# Altium PCB Urukul.PcbDoc (part 2 of 12) (continued)
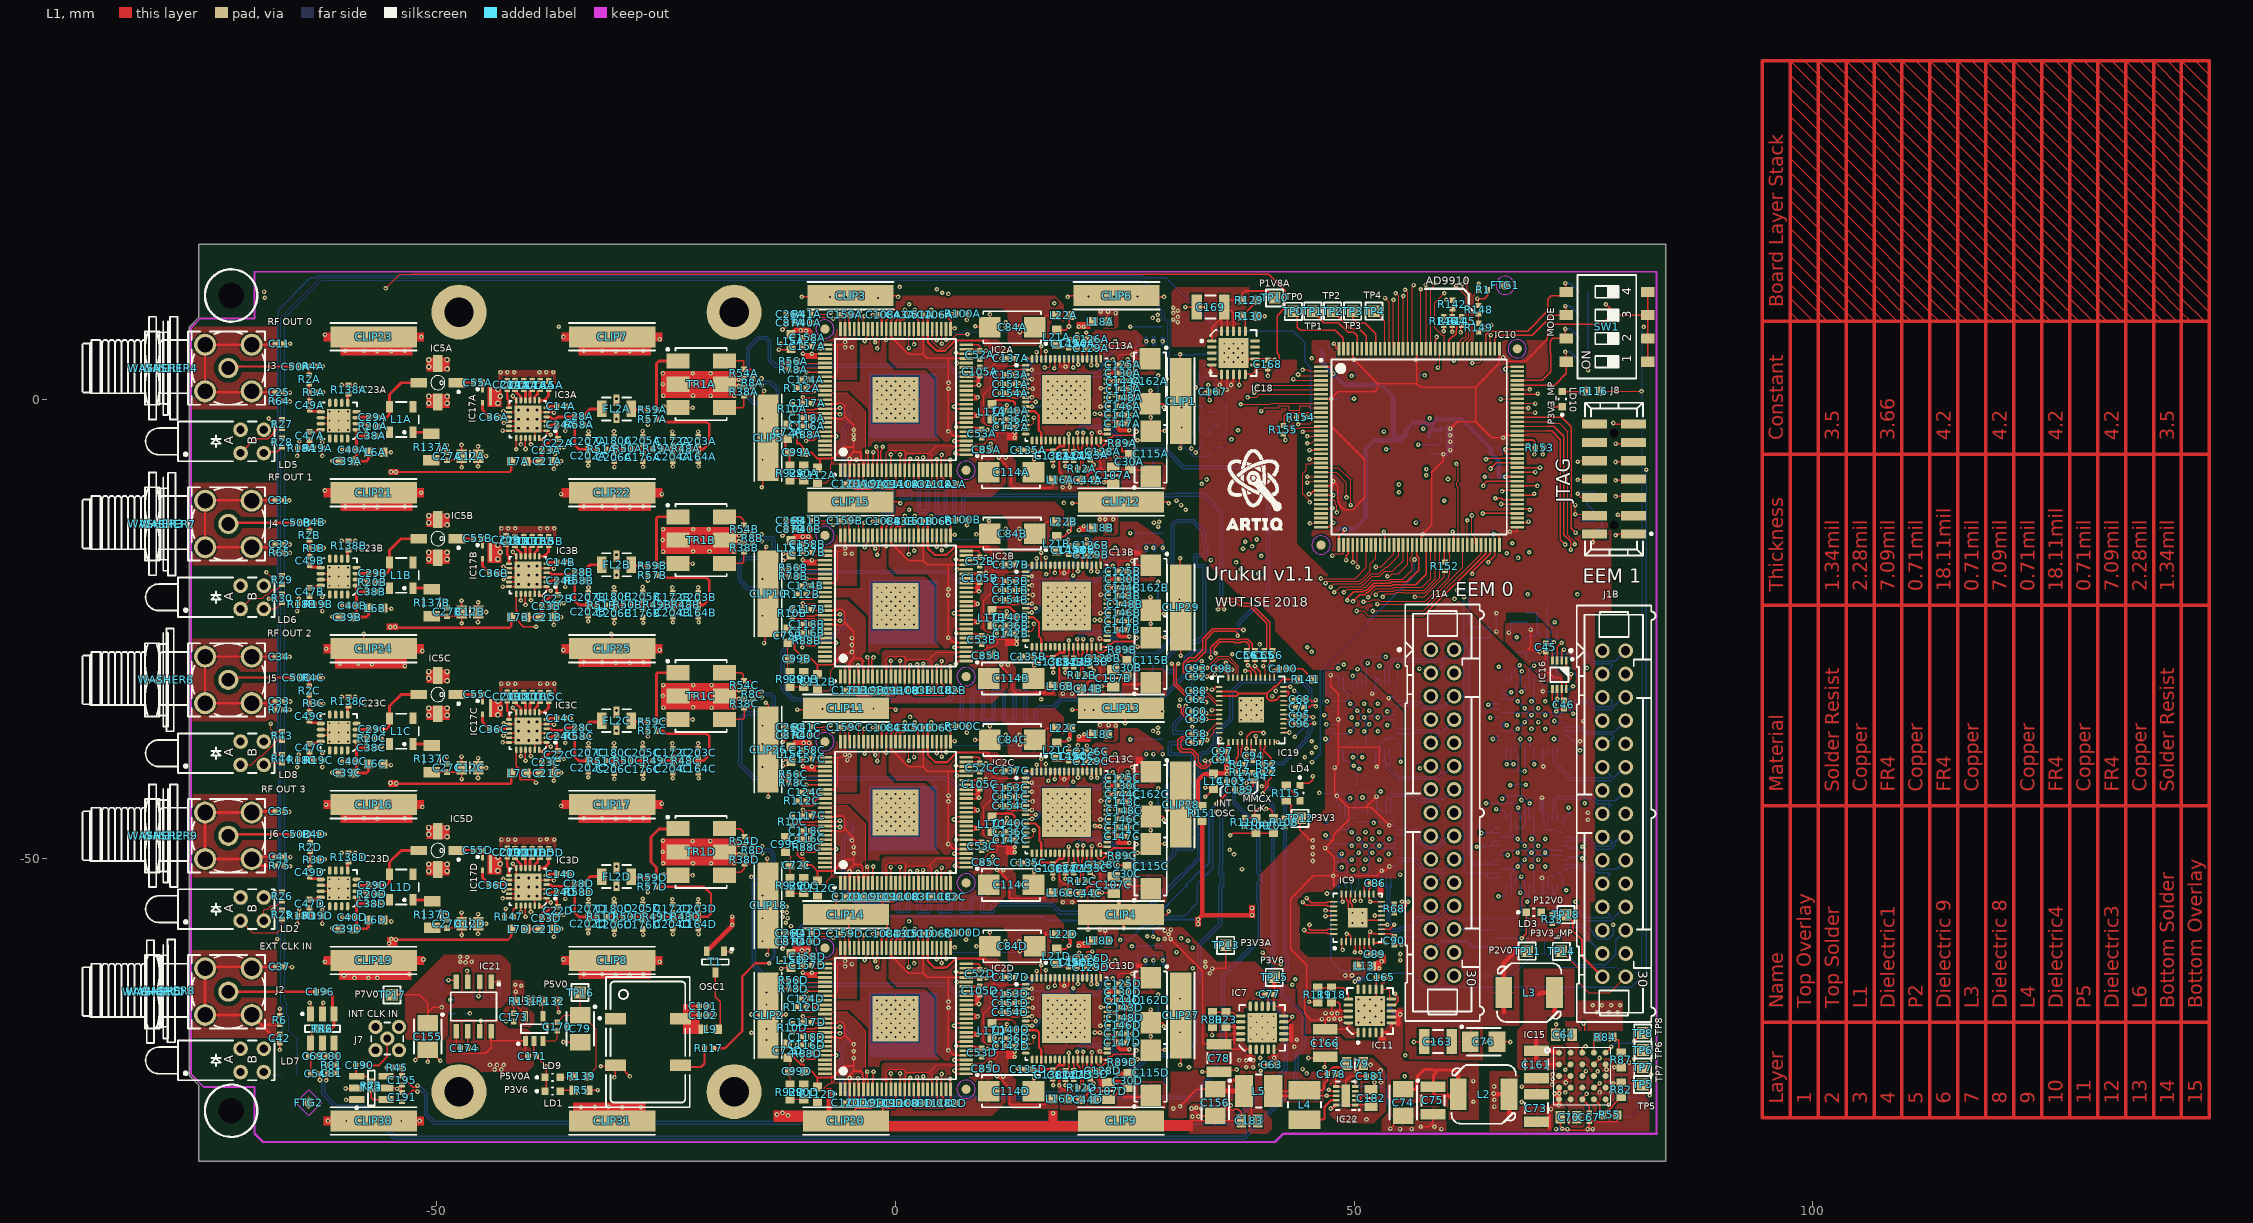
[diagram p0: L1 view]
## Components (designator, comment, footprint, x,y, rotation, side; value= is the part's Value field where it differs from the comment) (continued)
R19D "100" RESC1005X40N -63,-56.303 r180 top (schematic designator R19)
R20A "4k7" RESC1005X40N -57.001,-2.916 r180 top (schematic designator R20)
R20B "4k7" RESC1005X40N -57.077,-19.934 r180 top (schematic designator R20)
R20C "4k7" RESC1005X40N -57.121,-36.922 r180 top (schematic designator R20)
R20D "4k7" RESC1005X40N -57.121,-53.922 r180 top (schematic designator R20)
R21A "100" RESC1005X40N 55.875,-47.003 r270 bottom (schematic designator R21)
R21B "100" RESC1005X40N 74,-47.903 r270 bottom (schematic designator R21)
R22 "100" RESC1005X40N 40.5,-40.653 r0 top
R23 "4k7" RESC1608X55N 36.05,-67.603 r270 top
R24A "100" RESC1005X40N 55.875,-50.153 r270 bottom (schematic designator R24)
R24B "100" RESC1005X40N 74,-50.903 r270 bottom (schematic designator R24)
R25 "470" RESC1005X40N -66.9,-56.153 r270 top
R26 "470" RESC1005X40N -66.9,-54.153 r270 top
R27 "470" RESC1005X40N -66.9,-2.653 r270 top
R28 "470" RESC1005X40N -66.9,-4.653 r270 top
R29 "470" RESC1005X40N -66.9,-19.653 r270 top
R30 "470" RESC1005X40N -66.9,-21.653 r270 top
R31 "1k" RESC1005X40N 67.6,-27.053 r90 bottom
R32 "100" RESC1005X40N 68.7,-27.053 r270 bottom
R33 "10k" RESC1005X40N 71.6,-56.653 r270 top
R34 "200" RESC1005X40N 38.3,-27.853 r270 bottom
R35A "100" RESC1005X40N 53.75,-53.278 r180 bottom (schematic designator R35)
R35B "100" RESC1005X40N 71.892,-54.057 r180 bottom (schematic designator R35)
R36 "1k" RESC1005X40N 68.75,-23.728 r270 bottom
R37 "200" RESC1005X40N 32.8,-36.453 r0 bottom
R38A "49R9" RESC1005X40N -16.525,0.883 r90 top (schematic designator R38)
R38B "49R9" RESC1005X40N -16.513,-16.124 r90 top (schematic designator R38)
R38C "49R9" RESC1005X40N -16.513,-33.142 r90 top (schematic designator R38)
R38D "49R9" RESC1005X40N -16.475,-50.146 r90 top (schematic designator R38)
R39 "1k" RESC1005X40N 70.625,-23.178 r180 bottom
R40A "200" RESC1005X40N -9.68,8.397 r0 top (schematic designator R40)
R40B "200" RESC1005X40N -9.68,-14.103 r0 top (schematic designator R40)
R40C "200" RESC1005X40N -9.68,-36.603 r0 top (schematic designator R40)
R40D "200" RESC1005X40N -9.68,-59.103 r0 top (schematic designator R40)
R41A "200" RESC1005X40N -9.68,9.297 r0 top (schematic designator R41)
R41B "200" RESC1005X40N -9.68,-13.203 r0 top (schematic designator R41)
R41C "200" RESC1005X40N -9.68,-35.703 r0 top (schematic designator R41)
R41D "200" RESC1005X40N -9.68,-58.203 r0 top (schematic designator R41)
R42 "200" RESC1005X40N 32.8,-37.353 r0 bottom
R43 "470" RESC1005X40N -66.9,-36.653 r270 top
R44 "470" RESC1005X40N -66.9,-39.153 r270 top
R45 "0" RESC1005X40N -54.35,-72.828 r0 top
R46 "0" RESC1005X40N -62.5,-68.577 r180 top
R47 "49R9" RESC1005X40N 37.6,-39.753 r180 top
R48A "0" RESC1005X40N -22.883,-5.378 r180 top (schematic designator R48)
R48B "0" RESC1005X40N -22.883,-22.378 r180 top (schematic designator R48)
R48C "0" RESC1005X40N -22.883,-39.378 r180 top (schematic designator R48)
R48D "0" RESC1005X40N -22.883,-56.378 r180 top (schematic designator R48)
R49A "0" RESC1005X40N -25.983,-5.378 r180 top (schematic designator R49)
R49B "0" RESC1005X40N -25.983,-22.378 r180 top (schematic designator R49)
R49C "0" RESC1005X40N -25.983,-39.378 r180 top (schematic designator R49)
R49D "0" RESC1005X40N -25.983,-56.378 r180 top (schematic designator R49)
R50A "0" RESC1005X40N -29.199,-5.378 r180 top (schematic designator R50)
R50B "0" RESC1005X40N -29.199,-22.378 r180 top (schematic designator R50)
R50C "0" RESC1005X40N -29.199,-39.378 r180 top (schematic designator R50)
R50D "0" RESC1005X40N -29.199,-56.378 r180 top (schematic designator R50)
R51A "0" RESC1005X40N -32.05,-5.403 r0 top (schematic designator R51)
R51B "0" RESC1005X40N -32.05,-22.403 r0 top (schematic designator R51)
R51C "0" RESC1005X40N -32.05,-39.403 r0 top (schematic designator R51)
R51D "0" RESC1005X40N -32.05,-56.403 r0 top (schematic designator R51)
R52 "49R9" RESC1005X40N 40.5,-39.753 r180 top
R53 "1k2" RESC1608X55N 45.847,-75.641 r270 bottom
R54A "49R9" RESC1005X40N -16.525,2.864 r270 top (schematic designator R54)
R54B "49R9" RESC1005X40N -16.513,-14.142 r270 top (schematic designator R54)
R54C "49R9" RESC1005X40N -16.513,-31.135 r270 top (schematic designator R54)
R54D "49R9" RESC1005X40N -16.475,-48.139 r270 top (schematic designator R54)
R55 "24k" RESC1608X55N 77.89,-78 r0 top
R56A "0" RESC1005X40N -11.15,4.172 r180 top (schematic designator R56)
R56B "0" RESC1005X40N -11.15,-18.328 r180 top (schematic designator R56)
R56C "0" RESC1005X40N -11.15,-40.828 r180 top (schematic designator R56)
R56D "0" RESC1005X40N -11.15,-63.328 r180 top (schematic designator R56)
R57A "0" RESC1005X40N -26.524,-2.126 r180 top (schematic designator R57)
R57B "0" RESC1005X40N -26.524,-19.126 r180 top (schematic designator R57)
R57C "0" RESC1005X40N -26.524,-36.126 r180 top (schematic designator R57)
R57D "0" RESC1005X40N -26.524,-53.126 r180 top (schematic designator R57)
R58A "0" RESC1005X40N -34.5,-2.728 r0 top (schematic designator R58)
R58B "0" RESC1005X40N -34.5,-19.728 r0 top (schematic designator R58)
R58C "0" RESC1005X40N -34.5,-36.728 r0 top (schematic designator R58)
R58D "0" RESC1005X40N -34.5,-53.728 r0 top (schematic designator R58)
R59A "0" RESC1005X40N -26.524,-1.11 r180 top (schematic designator R59)
R59B "0" RESC1005X40N -26.524,-18.11 r180 top (schematic designator R59)
R59C "0" RESC1005X40N -26.524,-35.11 r180 top (schematic designator R59)
R59D "0" RESC1005X40N -26.524,-52.11 r180 top (schematic designator R59)
R60 "200" RESC1005X40N 32.8,-34.853 r0 bottom
R61 "200" RESC1005X40N 32.8,-33.953 r0 bottom
R62 "200" RESC1005X40N 32.8,-32.653 r0 bottom
R63 "200" RESC1005X40N 32.8,-31.753 r0 bottom
R64 "0" RESC1005X40N -67.203,-0.182 r180 top
R65 "0" RESC1005X40N -67.172,-16.675 r180 top
R66 "10k" RESC1005X40N 76.35,-13.653 r270 bottom
R67 "10k" RESC1005X40N 75.85,-10.653 r180 bottom
R68 "100" RESC1005X40N 54.39,-55.5 r270 top
R69 "200" RESC1005X40N 32.8,-30.193 r0 bottom
R70 "200" RESC1005X40N 39.2,-27.853 r270 bottom
R71 "200" RESC1005X40N 40.2,-27.853 r270 bottom
R72 "200" RESC1005X40N 41.1,-27.853 r270 bottom
R73 "0" RESC1005X40N -57.16,-74.798 r270 top
R74 "0" RESC1005X40N -67.186,-33.802 r180 top
R75 "0" RESC1005X40N -67.161,-50.829 r180 top
R76 "200" RESC1005X40N 44.1,-32.653 r180 bottom
R77 "200" RESC1005X40N 32.8,-29.293 r0 bottom
R78A "0" RESC1005X40N -11.15,3.247 r180 top (schematic designator R78)
R78B "0" RESC1005X40N -11.15,-19.253 r180 top (schematic designator R78)
R78C "0" RESC1005X40N -11.15,-41.753 r180 top (schematic designator R78)
R78D "0" RESC1005X40N -11.15,-64.253 r180 top (schematic designator R78)
R79A "0" RESC1005X40N -11.15,4.172 r180 bottom (schematic designator R79)
R79B "0" RESC1005X40N -11.15,-18.328 r180 bottom (schematic designator R79)
R79C "0" RESC1005X40N -11.15,-40.828 r180 bottom (schematic designator R79)
R79D "0" RESC1005X40N -11.15,-63.328 r180 bottom (schematic designator R79)
R80 "1k5" RESC1608X55N 34.55,-67.603 r90 top
R81 "0" RESC1005X40N -61.5,-72.577 r0 top
R82 "24k" RESC1608X55N 79.14,-75.25 r90 top
R83 "10k" RESC1005X40N 75.08,6.692 r180 bottom
R84 "24k" RESC1608X55N 77.39,-69.5 r0 top
R85 "10k" RESC1005X40N 75.08,9.192 r180 bottom
R86 "10k" RESC1005X40N 75.08,11.692 r180 bottom
R87 "1k8" RESC1608X55N 79.14,-72 r270 top
R88A "0" RESC1005X40N -9.68,-3.803 r0 top (schematic designator R88)
R88B "0" RESC1005X40N -9.68,-26.303 r0 top (schematic designator R88)
R88C "0" RESC1005X40N -9.68,-48.803 r0 top (schematic designator R88)
R88D "0" RESC1005X40N -9.68,-71.303 r0 top (schematic designator R88)
R89A "Undefined" RESC1005X40N 24.75,-4.753 r0 top (schematic designator R89)
R89B "Undefined" RESC1005X40N 24.75,-27.253 r0 top (schematic designator R89)
R89C "Undefined" RESC1005X40N 24.75,-49.753 r0 top (schematic designator R89)
R89D "Undefined" RESC1005X40N 24.75,-72.253 r0 top (schematic designator R89)
R90A "0" RESC1608X55N -10,-8 r90 top (schematic designator R90)
R90B "0" RESC1608X55N -10,-30.5 r90 top (schematic designator R90)
R90C "0" RESC1608X55N -10,-53 r90 top (schematic designator R90)
R90D "0" RESC1608X55N -10,-75.5 r90 top (schematic designator R90)
R91A "0" RESC1005X40N -11.15,3.247 r180 bottom (schematic designator R91)
R91B "0" RESC1005X40N -11.15,-19.253 r180 bottom (schematic designator R91)
R91C "0" RESC1005X40N -11.15,-41.753 r180 bottom (schematic designator R91)
R91D "0" RESC1005X40N -11.15,-64.253 r180 bottom (schematic designator R91)
R92A "2k2" RESC1608X55N -11.5,-8 r270 top (schematic designator R92)
R92B "2k2" RESC1608X55N -11.5,-30.5 r270 top (schematic designator R92)
R92C "2k2" RESC1608X55N -11.5,-53 r270 top (schematic designator R92)
R92D "2k2" RESC1608X55N -11.5,-75.5 r270 top (schematic designator R92)
R93A "0" RESC1005X40N 26.82,-2.68 r180 bottom (schematic designator R93)
R93B "0" RESC1005X40N 26.82,-25.18 r180 bottom (schematic designator R93)
R93C "0" RESC1005X40N 26.82,-47.68 r180 bottom (schematic designator R93)
R93D "0" RESC1005X40N 26.82,-70.18 r180 bottom (schematic designator R93)
R94A "Undefined" RESC1005X40N 28.92,-2.68 r180 bottom (schematic designator R94)
R94B "Undefined" RESC1005X40N 28.92,-25.18 r180 bottom (schematic designator R94)
R94C "Undefined" RESC1005X40N 28.92,-47.68 r180 bottom (schematic designator R94)
R94D "Undefined" RESC1005X40N 28.92,-70.18 r180 bottom (schematic designator R94)
R95 "200" RESC1005X40N 44.1,-33.553 r180 bottom
R96A "0" RESC1005X40N 27.327,5.314 r270 bottom (schematic designator R96)
R96B "0" RESC1005X40N 27.327,-17.19 r270 bottom (schematic designator R96)
R96C "0" RESC1005X40N 27.327,-39.695 r270 bottom (schematic designator R96)
R96D "0" RESC1005X40N 27.327,-62.199 r270 bottom (schematic designator R96)
R97A "0" RESC1005X40N 26.425,5.377 r270 bottom (schematic designator R97)
R97B "0" RESC1005X40N 26.413,-17.216 r270 bottom (schematic designator R97)
R97C "0" RESC1005X40N 26.413,-39.695 r270 bottom (schematic designator R97)
R97D "0" RESC1005X40N 26.413,-62.174 r270 bottom (schematic designator R97)
R98A "0" RESC1005X40N 29.131,5.314 r270 bottom (schematic designator R98)
R98B "0" RESC1005X40N 29.131,-17.19 r270 bottom (schematic designator R98)
R98C "0" RESC1005X40N 29.131,-39.707 r270 bottom (schematic designator R98)
R98D "0" RESC1005X40N 29.131,-62.199 r270 bottom (schematic designator R98)
R99A "0" RESC1005X40N 28.216,5.314 r270 bottom (schematic designator R99)
R99B "0" RESC1005X40N 28.242,-17.19 r270 bottom (schematic designator R99)
R99C "0" RESC1005X40N 28.242,-39.707 r270 bottom (schematic designator R99)
R99D "0" RESC1005X40N 28.216,-62.199 r270 bottom (schematic designator R99)
R100A "0" RESC1005X40N 7.32,9.397 r0 top (schematic designator R100)
R100B "0" RESC1005X40N 7.32,-13.103 r0 top (schematic designator R100)
R100C "0" RESC1005X40N 7.32,-35.603 r0 top (schematic designator R100)
R100D "0" RESC1005X40N 7.32,-58.103 r0 top (schematic designator R100)
R101 "200" RESC1005X40N 44.1,-34.453 r180 bottom
R102 "200" RESC1005X40N 44.1,-35.353 r180 bottom
R103 "0" RESC1608X55N 41.2,-46.453 r90 top
R104A "Undefined" RESC1005X40N 27.325,7.477 r270 bottom (schematic designator R104)
R104B "Undefined" RESC1005X40N 27.325,-15.023 r270 bottom (schematic designator R104)
R104C "Undefined" RESC1005X40N 27.325,-37.523 r270 bottom (schematic designator R104)
R104D "Undefined" RESC1005X40N 27.325,-60.023 r270 bottom (schematic designator R104)
R105A "Undefined" RESC1005X40N 26.425,7.477 r270 bottom (schematic designator R105)
R105B "Undefined" RESC1005X40N 26.425,-15.023 r270 bottom (schematic designator R105)
R105C "Undefined" RESC1005X40N 26.425,-37.523 r270 bottom (schematic designator R105)
R105D "Undefined" RESC1005X40N 26.425,-60.023 r270 bottom (schematic designator R105)
R106A "Undefined" RESC1005X40N 29.125,7.477 r270 bottom (schematic designator R106)
R106B "Undefined" RESC1005X40N 29.125,-15.023 r270 bottom (schematic designator R106)
R106C "Undefined" RESC1005X40N 29.125,-37.523 r270 bottom (schematic designator R106)
R106D "Undefined" RESC1005X40N 29.125,-60.023 r270 bottom (schematic designator R106)
R107A "Undefined" RESC1005X40N 28.225,7.477 r270 bottom (schematic designator R107)
R107B "Undefined" RESC1005X40N 28.225,-15.023 r270 bottom (schematic designator R107)
R107C "Undefined" RESC1005X40N 28.225,-37.523 r270 bottom (schematic designator R107)
R107D "Undefined" RESC1005X40N 28.225,-60.023 r270 bottom (schematic designator R107)
R108 "10k" RESC1005X40N 42.415,-46.096 r270 top
R109 "0" RESC1608X55N 39.3,-46.453 r90 top
R110 "10k" RESC1005X40N 38.071,-46.07 r270 top
R111 "10k" RESC1005X40N 75.08,4.192 r180 bottom
R112A "10k" RESC1005X35N -10.225,1.272 r180 top (schematic designator R112)
R112B "10k" RESC1005X35N -10.225,-21.228 r180 top (schematic designator R112)
R112C "10k" RESC1005X35N -10.225,-43.728 r180 top (schematic designator R112)
R112D "10k" RESC1005X35N -10.225,-66.228 r180 top (schematic designator R112)
R113A "470" RESC1608X55N 27.25,-8.25 r0 bottom (schematic designator R113)
R113B "470" RESC1608X55N 27.25,-30.5 r0 bottom (schematic designator R113)
R113C "470" RESC1608X55N 26.75,-53.25 r0 bottom (schematic designator R113)
R113D "470" RESC1608X55N 28.5,-74.75 r0 bottom (schematic designator R113)
R114 "100" RESC1005X40N 74.39,-29.75 r90 bottom
R115 "1k2" RESC1608X55N 42.6,-42.903 r270 top
R116 "1k2" RESC1608X55N 76.137,0.925 r0 top
R117 "49R9" RESC1005X40N -20.358,-70.728 r180 top
R118 "4k7" RESC1608X55N 47.55,-64.903 r270 top
R119 "1k5" RESC1608X55N 46.05,-64.903 r90 top
R120 "10k" RESC1005X40N 35.814,-4.623 r270 bottom
R121 "10k" RESC1005X40N 35.7,-2.758 r0 bottom
R122 "10k" RESC1005X40N 35.675,-1.259 r0 bottom
R123 "0" RESC1005X40N 30.823,-4.155 r180 bottom
R124 "0" RESC1005X40N 33.564,-4.278 r90 bottom
R125 "0" RESC1005X40N 32.314,-4.278 r90 bottom
R126 "0" RESC1005X40N 30.391,4.456 r270 bottom
R127 "0" RESC1005X40N 31.687,4.506 r270 bottom
R128 "0" RESC1005X40N 32.652,4.506 r270 bottom
R129 "1k5" RESC1608X55N 38.6,10.847 r180 top
R130 "1k2" RESC1608X55N 38.6,9.097 r180 top
R131 "6k8" RESC1608X55N -40.62,-65.603 r180 top
R132 "2k2" RESC1608X55N -37.62,-65.603 r180 top
R133 "43k" RESC1608X55N -43.5,-65.553 r0 bottom
R134 "47k" RESC1608X55N 52.75,-76.903 r180 bottom
R135 "9k1" RESC1608X55N -47,-65.453 r0 bottom
R136 "5k6" RESC1608X55N 53.6,-74.653 r270 bottom
R137A "100" RESC3216X65N -50.6,-5.176 r90 top (schematic designator R137)
R137B "100" RESC3216X65N -50.575,-22.143 r90 top (schematic designator R137)
R137C "100" RESC3216X65N -50.549,-39.161 r90 top (schematic designator R137)
R137D "100" RESC3216X65N -50.524,-56.154 r90 top (schematic designator R137)
R138A "0" RESC1005X40N -59.65,1.097 r270 top (schematic designator R138)
R138B "0" RESC1005X40N -59.65,-15.903 r270 top (schematic designator R138)
R138C "0" RESC1005X40N -59.65,-32.903 r270 top (schematic designator R138)
R138D "0" RESC1005X40N -59.65,-49.903 r270 top (schematic designator R138)
R139 "2k2" RESC1608X55N -34.295,-73.797 r0 top
R140A "0" RESC1608X55N 27.25,-6.75 r180 bottom (schematic designator R140)
R140B "0" RESC1608X55N 27.25,-29 r180 bottom (schematic designator R140)
R140C "0" RESC1608X55N 26.75,-51.75 r180 bottom (schematic designator R140)
R140D "0" RESC1608X55N 28.5,-73.25 r180 bottom (schematic designator R140)
R141 "0" RESC1608X55N 44.75,-30.5 r180 top
R142 "49R9" RESC1005X40N 60.731,10.389 r270 top
R143 "1k2" RESC1608X55N -66.052,-73.624 r0 bottom
R144 "49R9" RESC1005X40N 60.706,8.56 r90 top
R145 "49R9" RESC1005X40N 61.747,8.56 r90 top
R146 "49R9" RESC1005X40N 59.792,8.56 r90 top
R147 "470" RESC1005X40N -42.164,-56.388 r0 top
R148 "0" RESC1005X40N 63.576,9.804 r90 top
R149 "10k" RESC1005X40N 63.602,7.849 r90 top
R150 "Undefined" RESC1608X55N 51.384,-62.357 r90 bottom
R151 "Undefined" RESC1608X55N 33.426,-45.11 r90 top
R152 "470" RESC1005X40N 59.919,-18.161 r270 top
R153 "470" RESC1005X40N 70.231,-5.258 r0 top
R154 "470" RESC1005X40N 44.196,-1.93 r180 top
R155 "470" RESC1005X40N 42.266,-3.277 r270 top
SW1 "Switch" SW_OMRON_A6S-4102-H 77.58,7.942 r180 top
T1 "BSS84LT1G" SOT95P240X110-3N -19.634,-61.316 r270 top
TP0 "Test Point" TPS127 43.38,9.632 r0 top
TP1 "Test Point" TPS127 45.5,9.647 r0 top
TP2 "Test Point" TPS127 47.673,9.657 r0 top
TP3 "Test Point" TPS127 49.857,9.657 r0 top
TP4 "Test Point" TPS127 52.178,9.647 r0 top
TP5 "Test Point" TPS127 81.458,-74.676 r0 top
TP6 "Test Point" TPS127 81.509,-70.917 r0 top
TP7 "Test Point" TPS127 81.483,-72.796 r0 top
TP8 "Test Point" TPS127 81.483,-69.063 r0 top
TP10 "Test Point" TPS127 41.35,11.097 r90 top
TP11 "Test Point" TPS127 68.872,-60.137 r90 top
TP12 "Test Point" TPS127 44.1,-45.653 r90 top
TP13 "Test Point" TPS127 36,-59.5 r90 top
TP14 "Test Point" TPS127 72.6,-60.153 r90 top
TP15 "Test Point" TPS127 41.3,-62.992 r90 top
TP16 "Test Point" TPS127 -34.4,-64.653 r90 top
TP17 "Test Point" TPS127 -54.9,-64.903 r90 top
TP18 "Test Point" TPS127 73.1,-56.153 r90 top
TR1A "1:1" XFMR_MINI-CIRCUITS_CD542 -21.19,1.684 r270 top (schematic designator TR1)
TR1B "1:1" XFMR_MINI-CIRCUITS_CD542 -21.19,-15.316 r270 top (schematic designator TR1)
TR1C "1:1" XFMR_MINI-CIRCUITS_CD542 -21.19,-32.316 r270 top (schematic designator TR1)
TR1D "1:1" XFMR_MINI-CIRCUITS_CD542 -21.19,-49.316 r270 top (schematic designator TR1)
TR2 "1:2" XFMR_MINI-CIRCUITS_DB1627 -62.5,-68.577 r0 top
TR3 "1:2" XFMR_MINI-CIRCUITS_DB1627 -57.16,-75.048 r90 top
WASHER1 "D11.1xd6.6" Keystone_7687 -80.607,3.447 r180 top
WASHER2 "D11.1xd6.6" Keystone_7687 -80.607,-47.553 r180 top
WASHER3 "D11.1xd6.6" Keystone_7687 -80.607,-13.553 r180 top
WASHER4 "D11.1xd6.6" Keystone_7687 -79.102,3.447 r0 top
WASHER5 "D11.1xd6.6" Keystone_7687 -80.85,-64.553 r180 top
WASHER6 "D11.1xd6.6" Keystone_7687 -79.502,-30.556 r0 top
WASHER7 "D11.1xd6.6" Keystone_7687 -79.324,-13.564 r0 top
WASHER8 "D11.1xd6.6" Keystone_7687 -79.374,-64.477 r0 top
WASHER9 "D11.1xd6.6" Keystone_7687 -79.102,-47.553 r0 top
WASHER10 "D11.1xd6.6" Keystone_7687 -80.85,-64.553 r180 top

## Footprints (in the part's own frame and the unit in brackets; to place one, negate y for a bottom-side part, rotate by r counter-clockwise, add the part's x,y. Pads: shape width x height; smd on the part's side, far side on the other; paste and mask are expansions set on the pad)
3M_N2530-6002RB [mm] "30 Contacts - Straight .100\" x .100\" Low Profile Four-Wall Header"
  round 1.6 hole 1: 1(-17.78,-1.27) 2(-17.78,1.27) 3(-15.24,-1.27) 4(-15.24,1.27) 5(-12.7,-1.27) 6(-12.7,1.27) 7(-10.16,-1.27) 8(-10.16,1.27) 9(-7.62,-1.27) 10(-7.62,1.27) 11(-5.08,-1.27) 12(-5.08,1.27) 13(-2.54,-1.27) 14(-2.54,1.27) 15(0,-1.27) 16(0,1.27) 17(2.54,-1.27) 18(2.54,1.27) 19(5.08,-1.27) 20(5.08,1.27) 21(7.62,-1.27) 22(7.62,1.27) 23(10.16,-1.27) 24(10.16,1.27) 25(12.7,-1.27) 26(12.7,1.27) 27(15.24,-1.27) 28(15.24,1.27) 29(17.78,-1.27) 30(17.78,1.27)
  silkscreen extent -22.71,-4.85 22.71,4.52, body extent -22.71,-4.11 22.71,4.52, height 9.91
CAPC1005X50N [mm] "Chip Capacitor, Body 1.0x0.55mm, IPC Medium Density"
  rect 0.57x0.68 smd: 1(-0.49,0) 2(0.49,0)
  body extent -0.5,-0.27 0.5,0.28, height 0.5
CAPC1005X55N [mm] "Chip Capacitor, Body 1.0x0.55mm, IPC Medium Density"
  rect 0.62x0.62 smd: 1(-0.45,0) 2(0.45,0)
  body extent -0.52,-0.27 0.53,0.28, height 0.55
CAPC1608X80N [mm] "Chip Capacitor, Body 1.6x0.8mm IPC Medium Density"
  rect 1x1 smd: 1(-0.75,0) 2(0.75,0)
  body extent -0.87,-0.47 0.88,0.48, height 0.8
CAPC1608X87N [mm] "Chip Capacitor, Body 1.6x0.8mm IPC Medium Density"
  rect 0.95x1 smd: 1(-0.8,0) 2(0.8,0)
  body extent -0.87,-0.47 0.88,0.48, height 0.87
CAPC1608X90N [mm] "Chip Capacitor, Body 1.6x0.8mm IPC Medium Density"
  rect 0.95x0.95 smd: 1(-0.75,0) 2(0.75,0)
  body extent -0.85,-0.45 0.85,0.45, height 0.9
CAPC2012X135N [mm] "Chip Capacitor, Body 2.0x1.25mm, IPC Medium Density"
  rect 1.05x1.4 smd: 1(-0.9,0) 2(0.9,0)
  silkscreen extent 0,-0.58 0,0.58, body extent -1.05,-0.67 1.05,0.68, height 1.25
CAPC2012X140N [mm] "Chip Capacitor, Body 2.0x1.25mm, IPC Medium Density"
  rect 1.15x1.45 smd: 1(-0.9,0) 2(0.9,0)
  silkscreen extent 0,-0.57 0,0.57, body extent -1.05,-0.67 1.05,0.68, height 1.3
CAPC3225X270N [mm] "Chip Capacitor, Body 3.2x2.5mm, IPC Medium Density"
  rect 1.15x2.7 smd: 1(-1.5,0) 2(1.5,0)
  silkscreen extent -0.55,-1.25 0.55,1.25, body extent -1.7,-1.35 1.7,1.35, height 2.7
CAPMP3528X210N [mm] "Capacitor, Polarized, Molded  Body 3.5x2.8mm, IPC Medium Density"
  rect 1.8x2.25 smd: 1(-1.45,0) 2(1.45,0)
  silkscreen extent -2.52,-1.5 1.85,1.73, body extent -1.85,-1.5 1.85,1.5, height 2.1
CAPMP6032X280N [mm] "Capacitor, Polarized, Molded  Body 6.0x3.2mm, IPC Medium Density"
  rect 2.35x2.25 smd: 1(-2.45,0) 2(2.45,0)
  silkscreen extent -3.8,-1.75 3.15,1.9, body extent -3.15,-1.75 3.15,1.75, height 2.8
CLIP_HOLLAND-SHIELDING_LC [mm] "Surface Mount Clip for PCB Screening Covers"
  rect 9.4x2.3 smd: 1(0,0)
  silkscreen extent -4.7,-1.5 4.7,1.5, body extent -4.4,-1.15 4.4,1.15, height 3.5
FIDUCIAL_TOP_C100-200 [mm] "Round Fiducial Target, Top Layer, 1.0mm, Top Solder 2.0mm, Keepout =2.0mm"
  round 1 smd paste-0.51 mask+0.5: FTG2(0,0)
  L1 keep-out circle w0.1: c0,0 r1
FIDUCIAL_TOP_S100-200 [mm] "Square Fiducial Target, Top Layer, 1.0mm, Top Solder 2.0mm, Keepout =2.0mm"
  rect 1x1 smd rot 45 paste-0.51 mask+0.5: 1(0,0)
  L1 keep-out region: 1.414,0 0,-1.414 -1.414,0 0,1.414
FIDUCIAL_TOP_S200-400 [mm] "Square Fiducial Target, Top Layer, 2.0mm, Top Solder 4.0mm, Keepout =4.0mm"
  rect 2x2 smd rot 45 paste-0.9 mask+1: 1(0,0)
  L1 keep-out region: -2.839,0.011 -0.011,2.839 2.818,0.011 -0.011,-2.818
FIL_MINI-CIRCUITS_FV1206 [mm] "MINI-CIRCUITS Case FV1206 - Body 3.2x1.6mm"
  rect 1.04x1.8 smd: 1(-1.625,0) 3(1.625,0)
  rect 0.61x1.245 smd: 2(0,-0.928) 4(0,0.927)
  silkscreen extent -2.78,-1.25 1.6,1.25, body extent -1.6,-0.8 1.6,0.8, height 0.94
IND_MINI-CIRCUITS_GU1604 [mm] "MINI-CIRCUITS RF Choke, Case GU1041 - Body 3.81X3.81mm"
  rect 0.76x1.27 smd: 1(-1.27,1.394) 2(1.27,1.396) 3(1.27,-1.394) 4(-1.27,-1.396)
  silkscreen extent -1.91,-1.91 1.91,1.91, body extent -1.9,-1.9 1.91,1.91, height 3.81
IND_MURATA-PS_8400 [mm] "Miniature Surface Mount Power Inductors, 4.5mm L X 3.3mm W X 2.9mm H, MURATA 8400 Serie"
  rect 2x3.5 smd: 1(-1.6,0) 2(1.6,0)
  silkscreen extent -0.3,-1.8 0.3,1.8, body extent -2.4,-1.8 2.4,1.8, height 2.9
IND_TDK_SPM6530 [mm] "SMD Inductor, 7.1mm L X 6.5mm W X 3mm H, TDK SPM6530 Series"
  rect 1.85x3.4 smd: 1(-2.775,0) 2(2.775,0)
  silkscreen extent -3.5,-3.2 3.5,3.2, body extent -3.6,-3.2 3.6,3.2, height 3.1
INDC1608X95N [mm] "Chip Inductor, 2-Leads, EIA 0603, Metric 1608, Body 1.6x0.8mm, IPC Medium Density"
  rect 0.95x1 smd: 1(-0.8,0) 2(0.8,0)
  body extent -0.87,-0.47 0.88,0.48, height 0.95
Keystone_7687 [mm] "Polyphenylene Sulfide PPS Shoulder Washer"
  silkscreen extent -0.8,-5.6 0.8,5.6
LED_DIALIGHT_553-0112-200F [mm] "Dual 3mm LED  (Top: Red, Bot: Green), Body 10.55x4.32mm, Pin spacing 2.54mm"
  round 1.6 hole 0.9: 1(-1.27,1.27) 2(-1.27,-1.27) 3(1.27,1.27) 4(1.27,-1.27)
  silkscreen extent -11.62,-2.16 2.44,2.16, body extent -11.62,-2.16 2.44,2.16, height 9.65
LED_KINGBRIGHT_KPH-1608CGCKr [mm] "SMT Green LED, Case 0603, Body L 1.6 x W 0.8mm H 0.65mm"
  rect 0.8x0.8 smd: 1(-0.825,0) 2(0.825,0)
  silkscreen extent -1.82,-0.4 0.08,0.4, body extent -0.8,-0.4 0.8,0.4, height 0.65
LGA25C127P5X5_625X625X190 [mm] "LGA, 25-Leads, Body 6.25x6.25mmx1.90mm, Pitch 1.27mm"
  round 0.66 smd: A1(-2.54,2.54) A2(-1.27,2.54) A3(0,2.54) A4(1.27,2.54) A5(2.54,2.54) B1(-2.54,1.27) B2(-1.27,1.27) B3(0,1.27) B4(1.27,1.27) B5(2.54,1.27) C1(-2.54,0) C2(-1.27,0) C3(0,0) C4(1.27,0) C5(2.54,0) D1(-2.54,-1.27) D2(-1.27,-1.27) D3(0,-1.27) D4(1.27,-1.27) D5(2.54,-1.27) E1(-2.54,-2.54) E2(-1.27,-2.54) E3(0,-2.54) E4(1.27,-2.54) E5(2.54,-2.54)
  silkscreen extent -4.06,-3.13 3.13,3.13, body extent -3.13,-3.13 3.13,3.13, height 1.9
MINI-CIRCUITS_WW107 [mm] "MINI-CIRCUITS WW107 Case"
  rect 1.83x1.02 smd: 1(-2.085,0) 3(2.085,0)
  rect 1.02x1.83 smd: 2(0,-2.085) 4(0,2.085)
  silkscreen extent -2.38,-0.77 0.77,1.12, body extent -2.84,-2.54 2.54,2.54, height 1.52
MOLEX_87832-1420 [mm] "Milli-Grid, Pitch 2mm, 14 contacts, Surface Mount Vertical Header With Locking Window And Centre Polarization Slot"
  rect 1x2.75 smd: 1(-6,-2.125) 2(-6,2.125) 3(-4,-2.125) 4(-4,2.125) 5(-2,-2.125) 6(-2,2.125) 7(0,-2.125) 8(0,2.125) 9(2,-2.125) 10(2,2.125) 11(4,-2.125) 12(4,2.125) 13(6,-2.125) 14(6,2.125)
  round 0.5 hole 1 unplated mask+0.25: 15(-5,0) 16(5,0)
  silkscreen extent -8.32,-4.19 8.32,3.15, body extent -8.32,-3.15 8.33,3.15, height 7.6
OSC_CRYSTEK_CCHD-950 [mm] "Oscillator, 5.08mm Pitch; 4 Pin, 14.2mm L X 9.14mm W X 5.3mm H, CCHD-950 Serie"
  rect 2.28x1.27 smd: 1(-3.555,2.54) 2(-3.555,-2.54) 3(3.555,-2.54) 4(3.555,2.54)
  silkscreen extent -5.37,-7.1 4.57,7.1, body extent -4.57,-7.1 4.57,7.1, height 5.3
QFN50P400X400X100-25N-S295 [mm] "QFN,0.50mm pitch,square;24 pin,4.00mm L X 4.00mm W X 1.00mm H body (w/thermal tab 2.95 X 2.95mm),  IPC Medium Density"
  oval 0.7x0.3 smd: 1(-2.05,1.25) 2(-2.05,0.75) 3(-2.05,0.25) 4(-2.05,-0.25) 5(-2.05,-0.75) 6(-2.05,-1.25) 13(2.05,-1.25) 14(2.05,-0.75) 15(2.05,-0.25) 16(2.05,0.25) 17(2.05,0.75) 18(2.05,1.25)
  oval 0.3x0.7 smd: 7(-1.25,-2.05) 8(-0.75,-2.05) 9(-0.25,-2.05) 10(0.25,-2.05) 11(0.75,-2.05) 12(1.25,-2.05) 19(1.25,2.05) 20(0.75,2.05) 21(0.25,2.05) 22(-0.25,2.05) 23(-0.75,2.05) 24(-1.25,2.05)
  rect 2.95x2.95 smd: 25(0,0)
  silkscreen extent -3.13,-2 2,2, body extent -2.07,-2.07 2.08,2.08, height 1
QFN50P700X700X100-49N-S420 [mm] "QFN, 0.50mm Pitch, Square; 48 Pin, 7.00mm L X 7.00mm W X 1mm H body (W/Thermal Tab 4.2mm X 4.2mm), IPC Medium Density"
  oval 0.9x0.3 smd: 1(-3.45,2.75) 2(-3.45,2.25) 3(-3.45,1.75) 4(-3.45,1.25) 5(-3.45,0.75) 6(-3.45,0.25) 7(-3.45,-0.25) 8(-3.45,-0.75) 9(-3.45,-1.25) 10(-3.45,-1.75) 11(-3.45,-2.25) 12(-3.45,-2.75) 25(3.45,-2.75) 26(3.45,-2.25) 27(3.45,-1.75) 28(3.45,-1.25) 29(3.45,-0.75) 30(3.45,-0.25) 31(3.45,0.25) 32(3.45,0.75) 33(3.45,1.25) 34(3.45,1.75) 35(3.45,2.25) 36(3.45,2.75)
  oval 0.3x0.9 smd: 13(-2.75,-3.45) 14(-2.25,-3.45) 15(-1.75,-3.45) 16(-1.25,-3.45) 17(-0.75,-3.45) 18(-0.25,-3.45) 19(0.25,-3.45) 20(0.75,-3.45) 21(1.25,-3.45) 22(1.75,-3.45) 23(2.25,-3.45) 24(2.75,-3.45) 37(2.75,3.45) 38(2.25,3.45) 39(1.75,3.45) 40(1.25,3.45) 41(0.75,3.45) 42(0.25,3.45) 43(-0.25,3.45) 44(-0.75,3.45) 45(-1.25,3.45) 46(-1.75,3.45) 47(-2.25,3.45) 48(-2.75,3.45)
  rect 4.2x4.2 smd: 49(0,0)
  silkscreen extent -4.63,-3.5 3.5,3.5, body extent -3.5,-3.5 3.5,3.5, height 1
QFN50P900X900X100-65N-S536 [mm] "QFN, 0.50mm Pitch, Square; 64 Pin, 9.00mm L X 9.00mm W X 1.00mm H Body (5.36mm X 5.36mm Thermal Tab), IPC Medium Density"
  oval 0.85x0.3 smd: 1(-4.45,3.75) 2(-4.45,3.25) 3(-4.45,2.75) 4(-4.45,2.25) 5(-4.45,1.75) 6(-4.45,1.25) 7(-4.45,0.75) 8(-4.45,0.25) 9(-4.45,-0.25) 10(-4.45,-0.75) 11(-4.45,-1.25) 12(-4.45,-1.75) 13(-4.45,-2.25) 14(-4.45,-2.75) 15(-4.45,-3.25) 16(-4.45,-3.75) 33(4.45,-3.75) 34(4.45,-3.25) 35(4.45,-2.75) 36(4.45,-2.25) 37(4.45,-1.75) 38(4.45,-1.25) 39(4.45,-0.75) 40(4.45,-0.25) 41(4.45,0.25) 42(4.45,0.75) 43(4.45,1.25) 44(4.45,1.75) 45(4.45,2.25) 46(4.45,2.75) 47(4.45,3.25) 48(4.45,3.75)
  oval 0.3x0.85 smd: 17(-3.75,-4.45) 18(-3.25,-4.45) 19(-2.75,-4.45) 20(-2.25,-4.45) 21(-1.75,-4.45) 22(-1.25,-4.45) 23(-0.75,-4.45) 24(-0.25,-4.45) 25(0.25,-4.45) 26(0.75,-4.45) 27(1.25,-4.45) 28(1.75,-4.45) 29(2.25,-4.45) 30(2.75,-4.45) 31(3.25,-4.45) 32(3.75,-4.45) 49(3.75,4.45) 50(3.25,4.45) 51(2.75,4.45) 52(2.25,4.45) 53(1.75,4.45) 54(1.25,4.45) 55(0.75,4.45) 56(0.25,4.45) 57(-0.25,4.45) 58(-0.75,4.45) 59(-1.25,4.45) 60(-1.75,4.45) 61(-2.25,4.45) 62(-2.75,4.45) 63(-3.25,4.45) 64(-3.75,4.45)
  rect 5.35x5.35 smd: 65(0,0)
  silkscreen extent -5.57,-4.5 4.5,4.5, body extent -4.5,-4.5 4.5,4.5, height 1